# Altium PCB LH_Traffic_Light(XP)_V2.2_20171103-1500pm.PcbDoc (part 1 of 3)
Units mm, origin at the board's own origin, x right, y up, seen from the top; angles counter-clockwise.
Board outline 163.3 x 131.3 mm, 2 copper layers (Top Layer, Bottom Layer); 208 components, 201 nets, 813 pads, 826 vias.
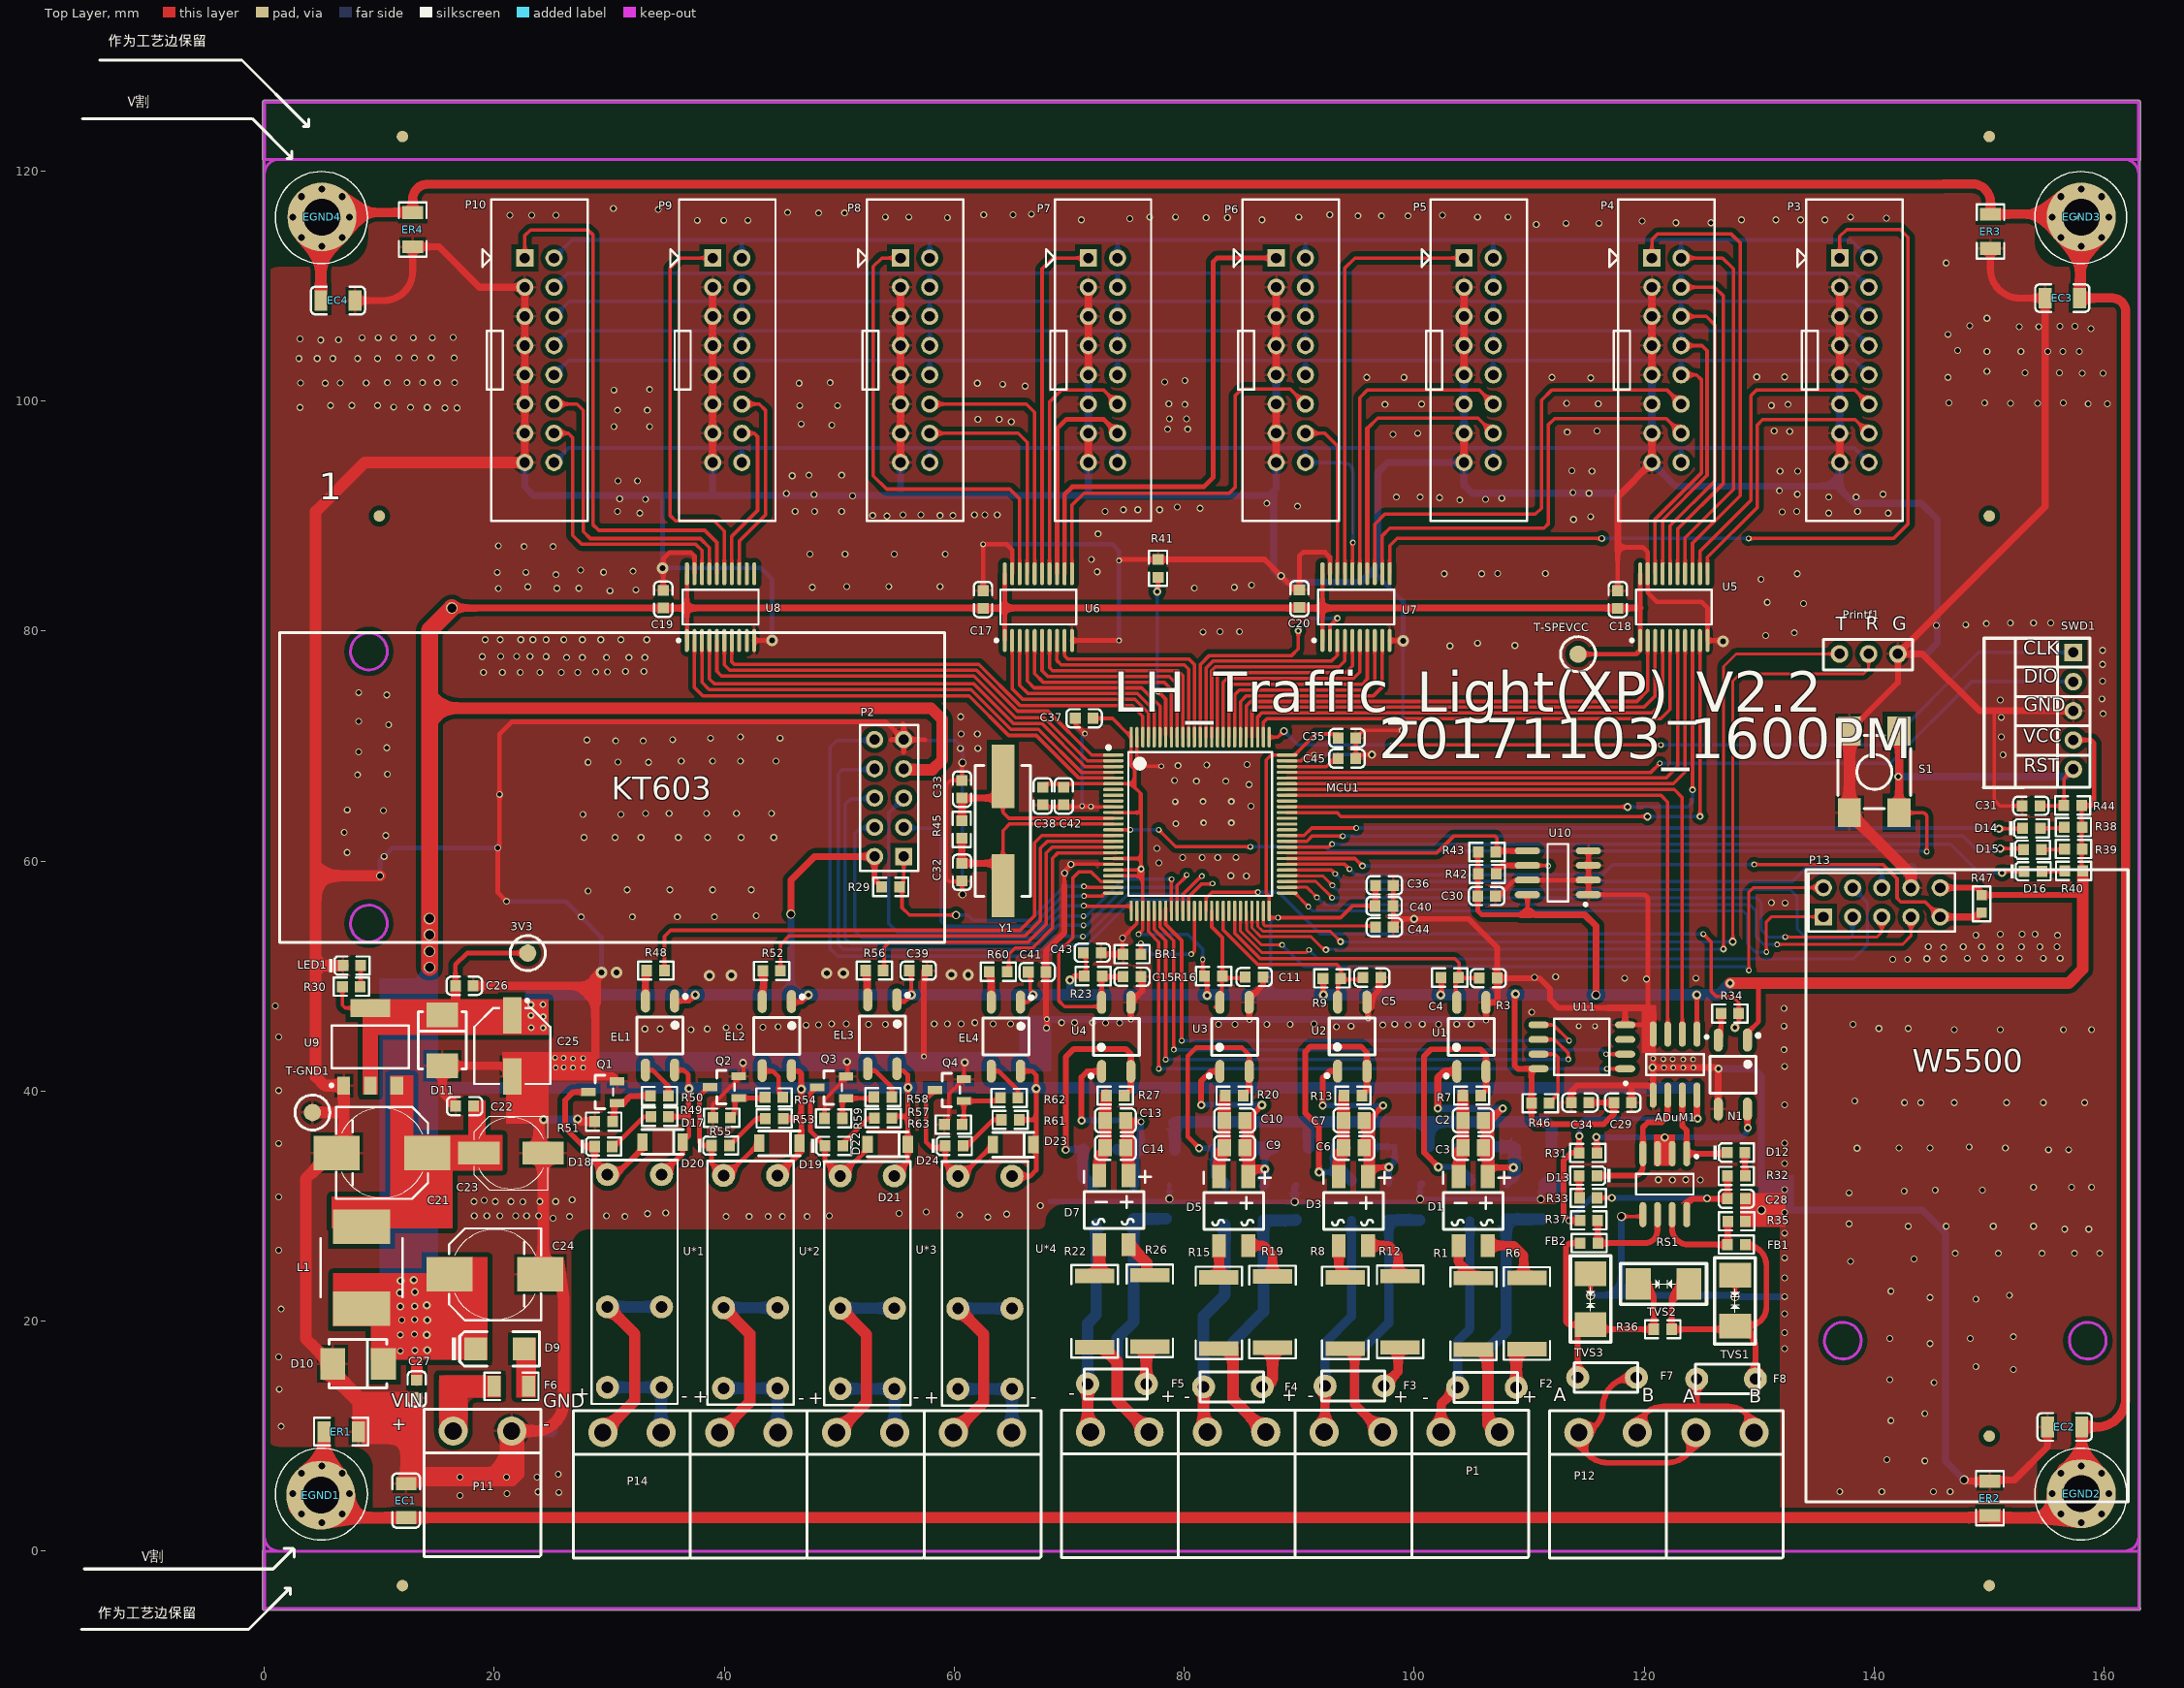
[diagram p0: Top Layer view]
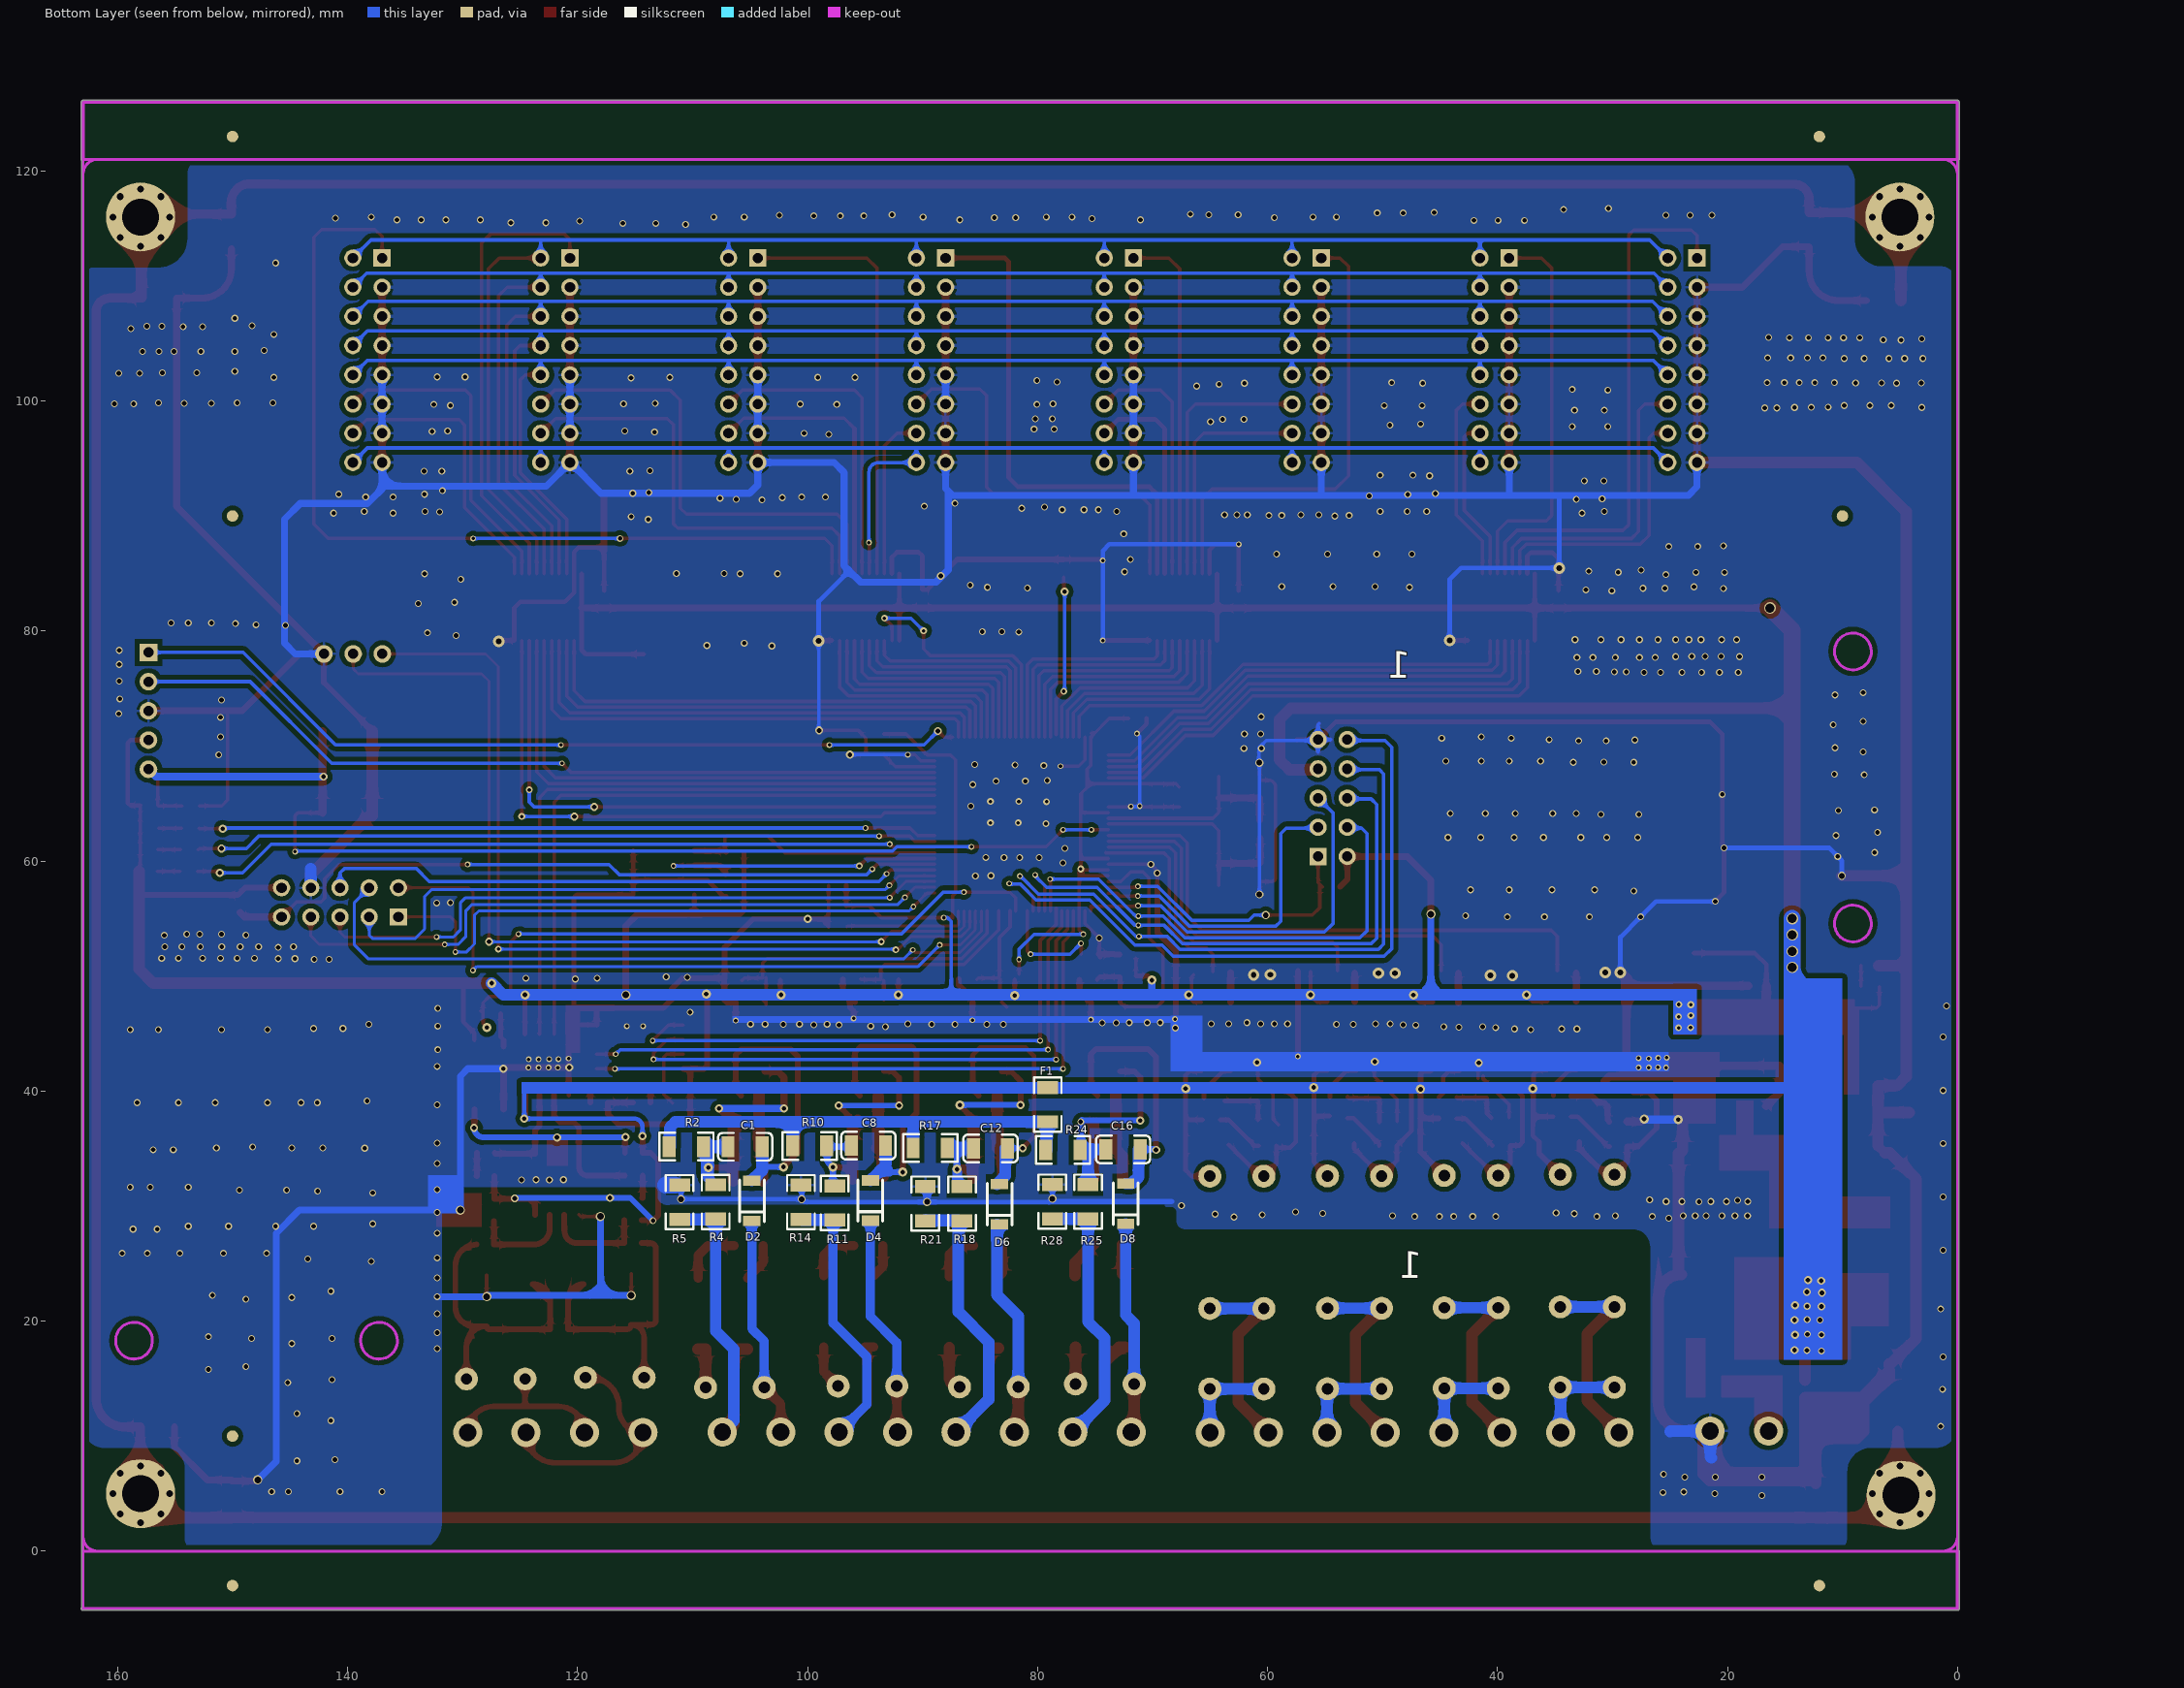
[diagram p1: Bottom Layer view, seen from below]
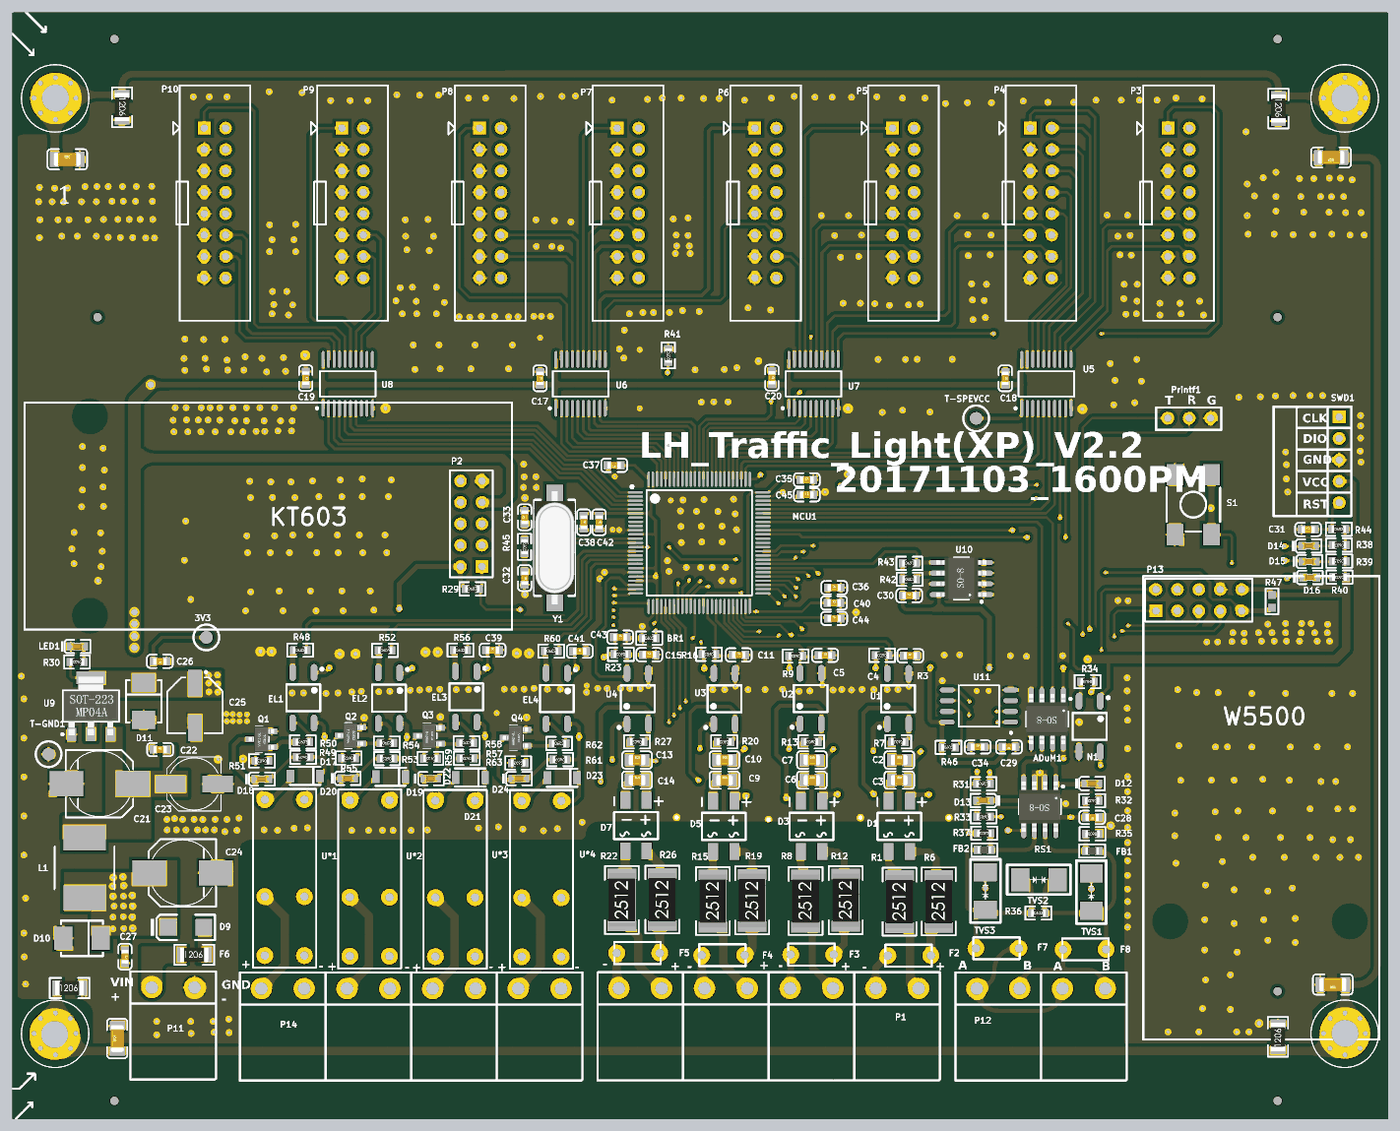
[diagram p4: 3D render of the assembled board from above, using the file's embedded part models]
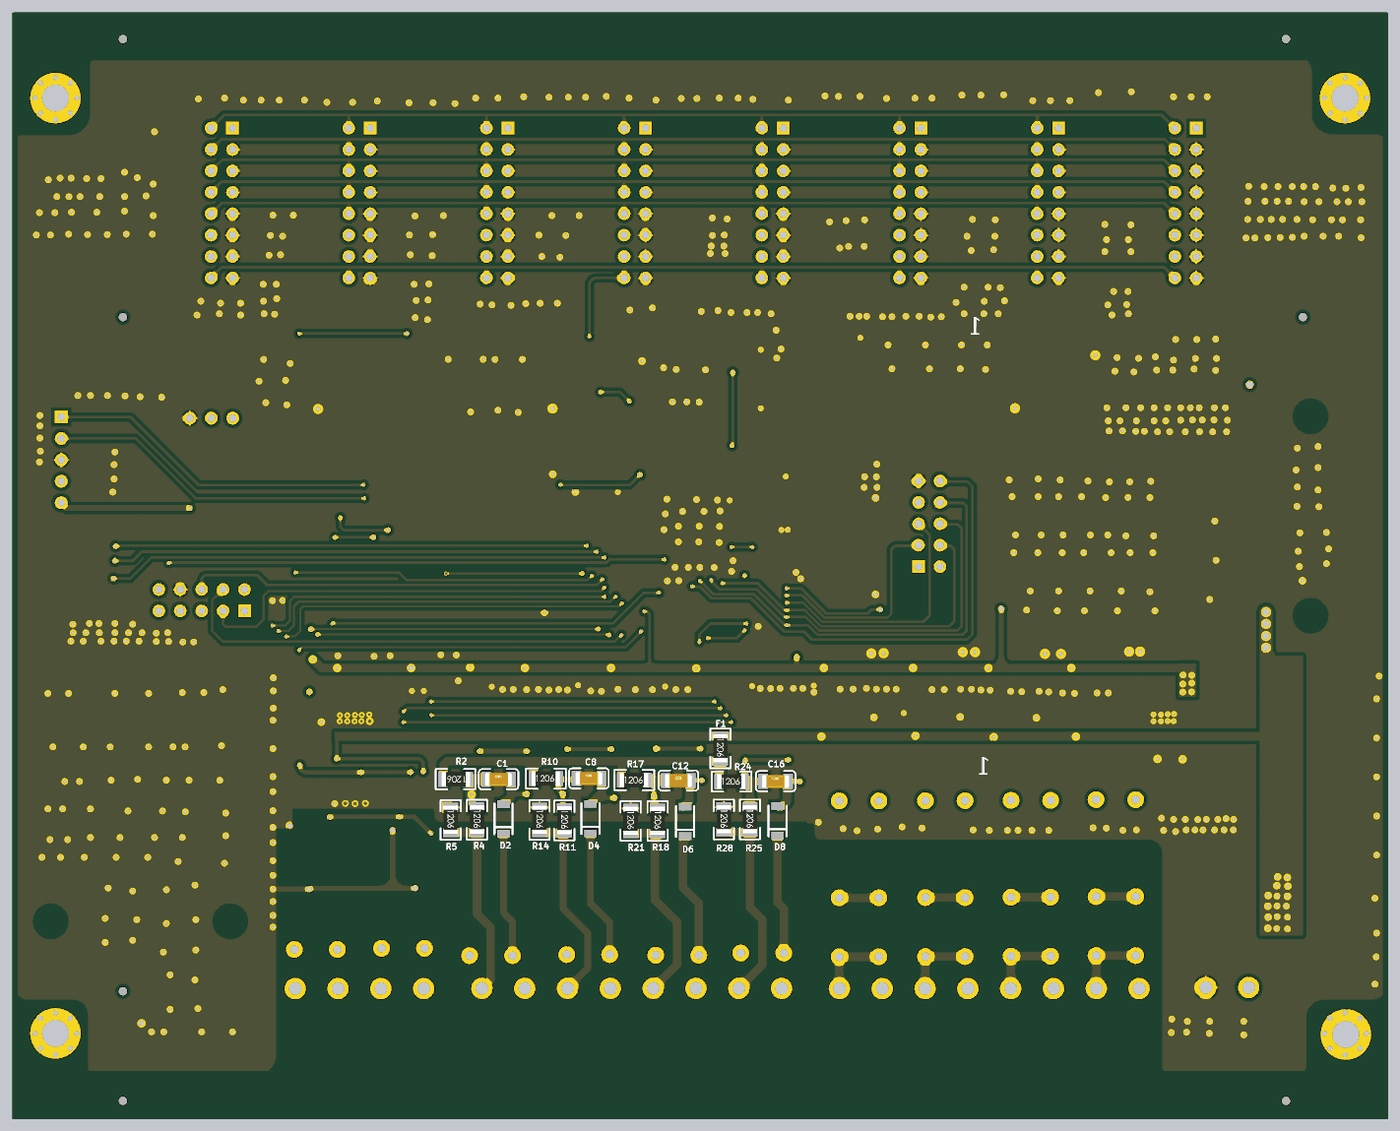
[diagram p5: 3D render of the assembled board from below, using the file's embedded part models]

## Layer stack, top to bottom
Top Solder: solder mask 0.0102, Solder Resist, Dk 3.5
Top Layer: signal copper 0.0356
Dielectric1: dielectric 0.32, FR-4, Dk 4.8
Bottom Layer: signal copper 0.0356
Bottom Solder: solder mask 0.0102, Solder Resist, Dk 3.5

## Board outline
-0.15,-5 -0.15,0 cw(c0,0) -0.127,0.08 -0.127,120.92 cw(c0,121) -0.15,121 -0.15,126 cw(c0,126) 0,126.15 163,126.15 cw(c163,126) 163.15,126 163.15,121 cw(c163,121) 163.127,120.92 163.127,-4.92 cw(c163,-5) 163.15,-5 cw(c163,-5) 163,-5.15 0,-5.15 cw(c0,-5)

## Design rules (kind name [scope] priority, off if disabled: settings)
Clearance Clearance-poly [InPolygon] p1: gap=0.4
Clearance Clearance-track [All] p2: gap=0.2
PolygonConnect PolygonConnect_via [IsVia] p1: connectstyle=Direct reliefconductorwidth=0.254 reliefentries=4 polygonreliefangle="90 Angle" airgapwidth=0.254
PolygonConnect PolygonConnect_pad [All] p2: connectstyle=Relief reliefconductorwidth=0.254 reliefentries=4 polygonreliefangle="90 Angle" airgapwidth=0.254
RoutingVias [All] p1: holewidth=0.6 width=0.4 viastyle="Through Hole" minholewidth=0.3 minwidth=0.5 maxholewidth=1 maxwidth=4
SilkToSolderMaskClearance [IsPad] p1: minsilkscreentomaskgap=0 clearancetoexposedcopper=TRUE
SolderMaskExpansion [All] p1: expansion=0.102
Width [All] p1: maxlimit=2 minlimit=0.254 preferedwidth=0.4
29 further rules are at their usual default settings.

## Classes and differential pairs
component class FOUR-INPORT: C1 C2 C3 C4 C5 C6 C7 C8 C9 C10 C11 C12 C13 C14 C15 C16 D1 D2 D3 D4 D5 D6 D7 D8 F1 F2 F3 F4 F5 P1 R1 R2 R3 R4 R5 R6 R7 R8 R9 R10 R11 R12 R13 R14 R15 R16 R17 R18 R19 R20 R21 R22 R23 R24 R25 R26 R27 R28 U1 U2 U3 U4
component class KT403A1: P2 R29
component class LED-12PORT: C17 C18 C19 C20 P3 P4 P5 P6 P7 P8 P9 P10 U5 U6 U7 U8
component class POWER: 3V3 C21 C22 C23 C24 C25 C26 C27 D9 D10 D11 EC1 EC2 EC3 EC4 EGND1 EGND2 EGND3 EGND4 ER1 ER2 ER3 ER4 F6 L1 LED1 P11 R30 T-GND1 T-SPEVCC U9
component class RS485: ADuM1 C28 C29 D12 D13 F7 F8 FB1 FB2 N1 P12 R31 R32 R33 R34 R35 R36 R37 RS1 TVS1 TVS2 TVS3
component class STM32F407VXX: BR1 C30 C31 C32 C33 C34 C35 C36 C37 C38 C39 C40 C41 C42 C43 C44 C45 C57 D14 D15 D16 MCU1 Printf1 R38 R39 R40 R41 R42 R43 R44 R45 R46 S1 SWD1 U10 U11 Y1
component class W5500: P13 R47
component class TWO_OUTPORT: D17 D18 D19 D20 D21 D22 D23 D24 EL1 EL2 EL3 EL4 P14 Q1 Q2 Q3 Q4 R48 R49 R50 R51 R52 R53 R54 R55 R56 R57 R58 R59 R60 R61 R62 R63 U*1 U*2 U*3 U*4

## Components (designator, comment, footprint, x,y, rotation, side; value= is the part's Value field where it differs from the comment)
3V3 "CHECK" CHECK-B 22.9,52 r0 top (schematic designator T-1)
ADuM1 "ADuM1201" SOIC-8 122.671,42.3 r270 top
BR1 "10K" LC-0603_R 75.453,51.902 r0 top
C1 "104" LC-1206_C 105.425,35.163 r180 bottom
C2 "10uf/16V" LC-0805_C 105.12,37.449 r0 top
C3 "10uf/16V" LC-0805_C 105.12,35.061 r0 top
C4 "104" LC-0603_C 106.425,49.824 r0 top
C5 "104" LC-0603_C 96.305,49.87 r0 top
C6 "10uf/16V" LC-0805_C 94.748,35.061 r0 top
C7 "10uf/16V" LC-0805_C 94.748,37.449 r0 top
C8 "104" LC-1206_C 94.706,35.272 r180 bottom
C9 "10uf/16V" LC-0805_C 84.376,35.061 r0 top
C10 "10uf/16V" LC-0805_C 84.376,37.449 r0 top
C11 "104" LC-0603_C 86.07,49.92 r0 top
C12 "104" LC-1206_C 84.089,35.011 r180 bottom
C13 "10uf/16V" LC-0805_C 74.005,37.449 r0 top
C14 "10uf/16V" LC-0805_C 74.005,35.061 r0 top
C15 "104" LC-0603_C 75.453,49.946 r0 top
C16 "104" LC-1206_C 72.557,34.934 r180 bottom
C17 "104" LC-0603_C 62.499,82.737 r270 top
C18 "104" LC-0603_C 117.693,82.737 r270 top
C19 "104" LC-0603_C 34.686,82.763 r270 top
C20 "104" LC-0603_C 90.007,82.813 r270 top
C21 "220uF" C-RB-SD8 10.225,34.63 r180 top
C22 "104" LC-0603_C 17.414,38.694 r0 top
C23 "22uF" C-RB-SD6 21.452,34.604 r0 top
C24 "470uF/16V" C-RB-SD8 20.055,24.063 r0 top
C25 "22uF" HONOR_63X54 21.554,43.926 r270 top
C26 "104" LC-0603_C 17.388,49.158 r180 top
C27 "104" LC-0603_C 13.248,14.106 r270 top
C28 "104" LC-0603_C 128.005,30.642 r180 top
C29 "104" LC-0603_C 118.125,38.998 r180 top
C30 "104" LC-0603_C 106.292,56.962 r0 top
C31 "104" LC-0603_C 153.627,64.808 r0 top
C32 "20pF" LC-0603_C 60.67,59.039 r270 top
C33 "20pF" LC-0603_C 60.67,66.253 r90 top
C34 "104" LC-0603_C 114.416,38.998 r0 top
C35 "104" LC-0603_C 94.147,70.698 r0 top
C36 "104" LC-0603_C 97.398,57.896 r0 top
C37 "104" LC-0603_C 71.287,72.415 r180 top
C38 "104" LC-0603_C 67.68,65.659 r270 top
C39 "104" LC-0603_C 56.86,50.479 r0 top
C40 "104" LC-0603_C 97.373,56.093 r0 top
C41 "104" LC-0603_C 67.198,50.352 r0 top
C42 "104" LC-0603_C 69.509,65.659 r270 top
C43 "104" LC-0603_C 71.998,52.029 r0 top
C44 "2.2uF" LC-0603_C 97.398,54.256 r0 top
C45 "2.2uF" LC-0603_C 94.147,68.92 r0 top
D1 "MB10S" LC-MBS 105.12,29.575 r270 top
D2 "1N4148" LC-LL-34 104.84,30.464 r90 bottom
D3 "MB10S" LC-MBS 94.706,29.575 r270 top
D4 "1N4148" LC-LL-34 94.528,30.489 r90 bottom
D5 "MB10S" LC-MBS 84.292,29.575 r270 top
D6 "1N4148" LC-LL-34 83.301,30.159 r90 bottom
D7 "MB10S" LC-MBS 73.878,29.651 r270 top
D8 "1N4148" LC-LL-34 72.328,30.21 r90 bottom
D9 "SS34" LC-SMA(DO-214AC)_S5 20.487,17.586 r0 top
D10 "SMBJ6.0CA" LC-SMB(DO-214AA)_S1 8.143,16.291 r180 top
D11 "SMBJ5.0CA" LC-SMB(DO-214AA)_S1 15.469,44.409 r270 top
D12 "绿灯 0603" LC-0603_LED_S1 127.98,34.655 r0 top
D13 "绿灯 0603" LC-0603_LED_S1 115.102,32.648 r180 top
D14 "蓝灯 0603" LC-0603_LED_S1 153.674,62.845 r0 top
D15 "蓝灯 0603" LC-0603_LED_S1 153.757,60.991 r0 top
D16 "蓝灯 0603" LC-0603_LED_S1 153.808,59.112 r0 top
D17 "1N4148" LC-LL-34 34.625,35.569 r180 top
D18 "红灯 0603" LC-0603_LED_S1 29.482,35.188 r0 top
D19 "1N4148" LC-LL-34 44.777,35.468 r180 top
D20 "红灯 0603" LC-0603_LED_S1 39.664,35.265 r0 top
D21 "1N4148" LC-LL-34 54.212,35.366 r180 top
D22 "红灯 0603" LC-0603_LED_S1 49.519,35.239 r0 top
D23 "1N4148" LC-LL-34 65.115,35.341 r180 top
D24 "红灯 0603" LC-0603_LED_S1 59.984,35.239 r0 top
EC1 "103 200V" LC-1206_C 12.324,4.394 r90 top
EC2 "103 200V" LC-1206_C 156.55,10.8 r180 top
EC3 "103 200V" LC-1206_C 156.35,108.95 r180 top
EC4 "103 200V" LC-1206_C 6.4,108.737 r0 top
EGND1 "EGND" H-6-3.2m#1 5,5 r0 top
EGND2 "EGND" H-6-3.2m#2 158,5 r0 top
EGND3 "EGND" H-6-3.2m#2 158,116 r0 top
EGND4 "EGND" H-6-3.2m#2 5,116 r0 top locked
EL1 "EL357" lc-sop-4_P2.54 34.41,44.832 r270 top
EL2 "EL357" lc-sop-4_P2.54 44.566,44.79 r270 top
EL3 "EL357" lc-sop-4_P2.54 53.736,44.942 r270 top
EL4 "EL357" lc-sop-4_P2.54 64.48,44.739 r270 top
ER1 "1M" LC-1206_R 6.677,10.389 r0 top
ER2 "1M" LC-1206_R 150.05,4.6 r90 top
ER3 "1M" LC-1206_R 150.1,114.75 r270 top
ER4 "1M" LC-1206_R 12.9,114.9 r270 top
F1 "Fuse1" LC-1206_R 79.11,38.821 r270 bottom
F2 "JK250-120U" ntc250v 103.765,14.233 r0 top
F3 "JK250-120U" ntc250v 92.242,14.36 r0 top
F4 "JK250-120U" ntc250v 81.676,14.284 r0 top
F5 "JK250-120U" ntc250v 71.592,14.538 r0 top
F6 "SMD1206P050TF" LC-1206_R 21.478,14.335 r0 top
F7 "JK250-120U" ntc250v 129.656,14.97 r180 top
F8 "JK250-120U" ntc250v 114.213,15.097 r0 top
FB1 "0R" LC-0603_L 128.005,26.654 r180 top
FB2 "0R" LC-0603_L 115.204,26.781 r0 top
L1 "Inductor" L-SMD-7 8.447,24.647 r90 top
LED1 "红灯 0603" LC-0603_LED_S1 7.609,50.911 r0 top
MCU1 "STM32F4xxVxxx" LC-QFP-100_14x14x05P 81.38,63.22 r270 top locked
N1 "EL357" lc-sop-4_P2.54 127.7,41.437 r270 top
P1 "Header 8" 5.08-8p 71.846,10.347 r0 top
P2 "Header 5X2" HDR5X2-2.54 55.6,60.4 r90 top
P3 "LED12" DC3-16P-2.54mm 138.267,103.546 r90 top locked
P4 "LED12" DC3-16P-2.54mm 121.931,103.546 r90 top locked
P5 "LED12" DC3-16P-2.54mm 105.595,103.546 r90 top locked
P6 "LED12" DC3-16P-2.54mm 89.259,103.546 r90 top locked
P7 "LED12" DC3-16P-2.54mm 72.923,103.546 r90 top locked
P8 "LED12" DC3-16P-2.54mm 56.588,103.546 r90 top locked
P9 "LED12" DC3-16P-2.54mm 40.252,103.546 r90 top locked
P10 "LED12" DC3-16P-2.54mm 23.916,103.546 r90 top locked
P11 "Header 2" D5.08-2P 16.423,10.449 r0 top
P12 "Header 4" 5.08-4P 114.315,10.322 r0 top
P13 "Header 5X2" HDR5X2-2.54 135.574,55.143 r0 top
P14 "Header 8" 5.08-8p 29.428,10.322 r0 top
Printf1 "Printf" F2.54-3P 142.051,78.013 r180 top
Q1 "S8050" LC-SOT-23(SOT-23-3) 29.428,39.913 r0 top
Q2 "S8050" LC-SOT-23(SOT-23-3) 39.994,40.345 r0 top
Q3 "S8050" LC-SOT-23(SOT-23-3) 49.324,40.319 r0 top
Q4 "S8050" LC-SOT-23(SOT-23-3) 59.578,40.091 r0 top
R1 "4302/1W" LC-2512_R 105.145,20.634 r90 top
R2 "Res1" LC-1206_R 110.53,35.172 r0 bottom